# KiCad board reform2-keyboard.kicad_pcb
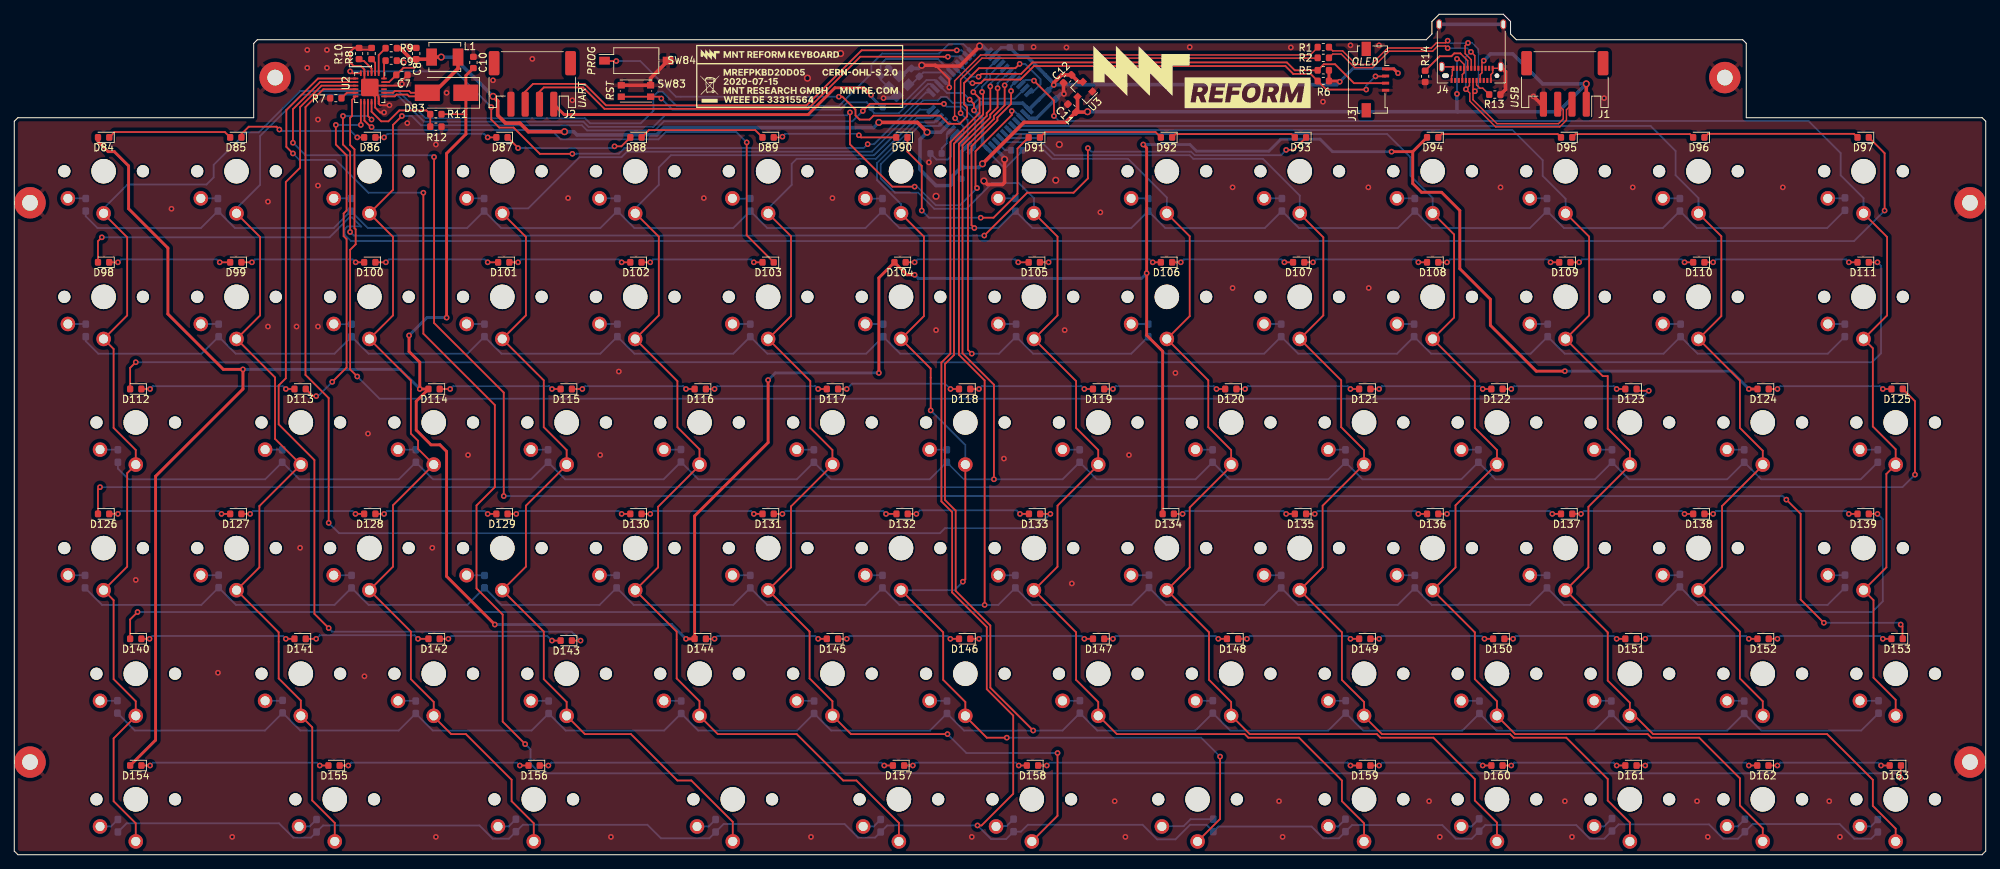
[diagram p0: board, top side]
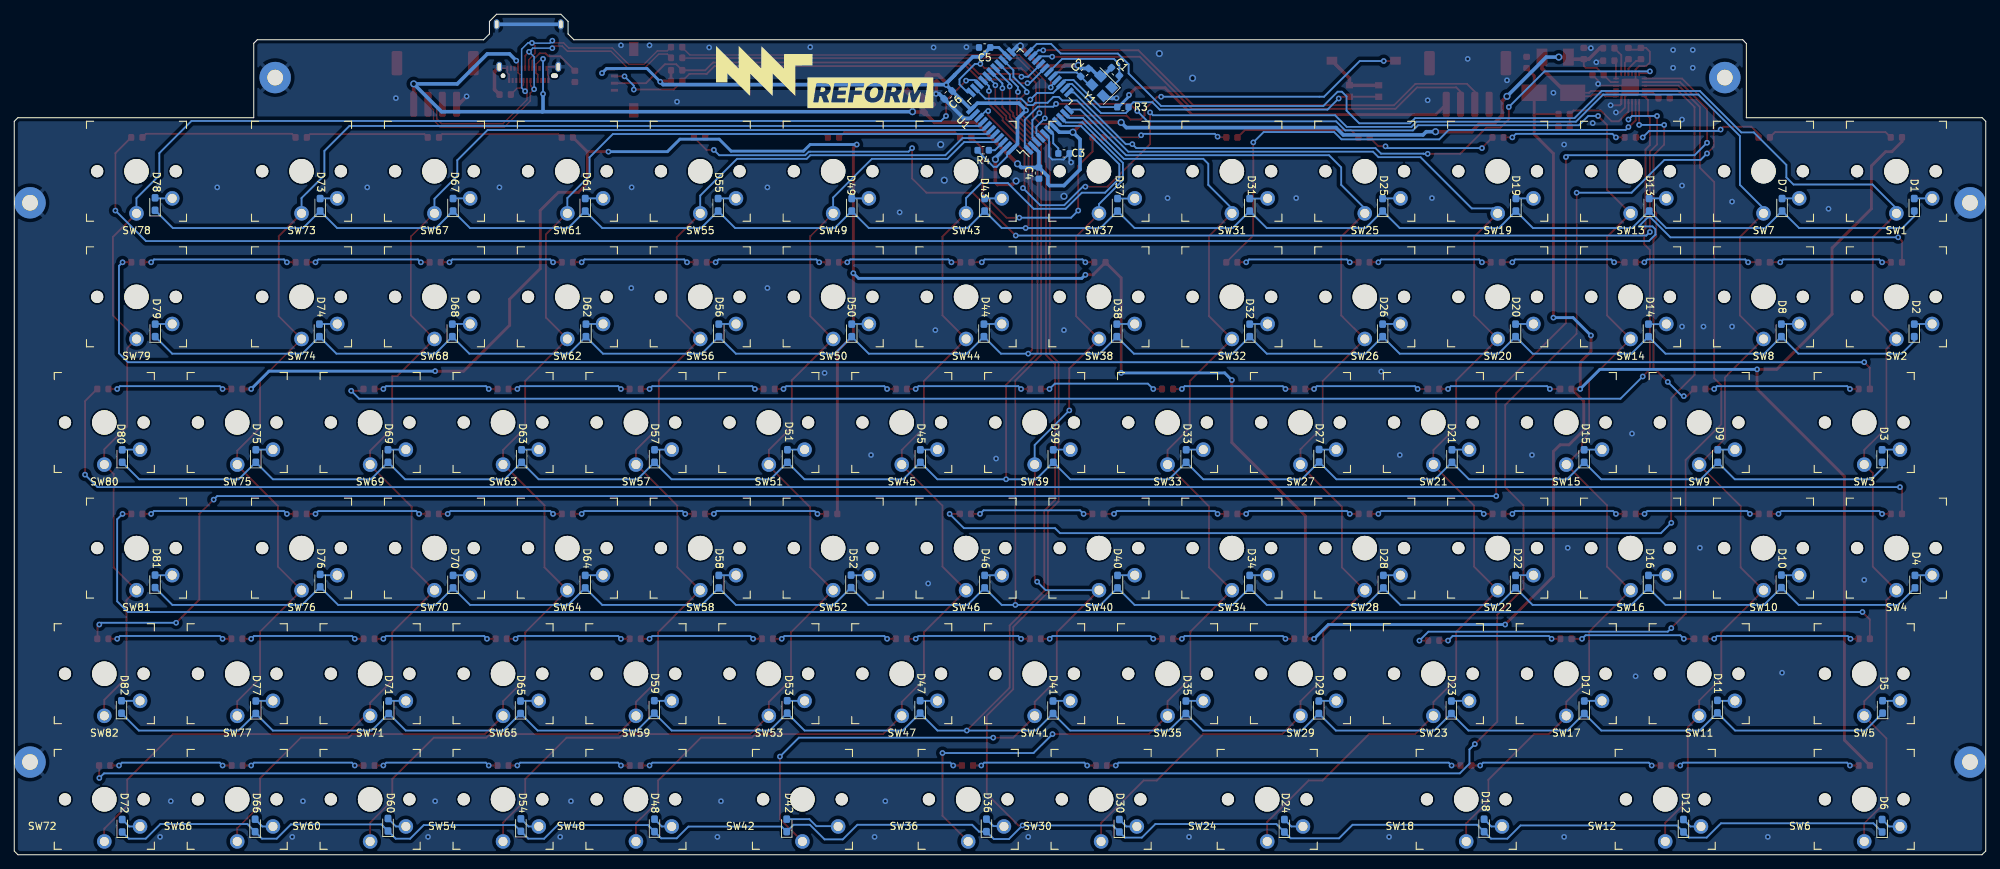
[diagram p1: board, bottom side, seen from below]

Outline 275.9 x 117.75 mm; copper layers: Top, Bottom. Coordinates in mm from the lower left corner of the outline.
Outline path: 0,102.76 0.5,103.26 33.5,103.26 33.5,113.66 34.01,114.18 197.58,114.18 198.4,115 198.4,116.75 199.4,117.75 208.4,117.75 209.4,116.75 209.4,115 210.22,114.18 241.89,114.18 242.39,113.68 242.39,103.26 275.4,103.26 275.9,102.76 275.9,0.52 275.39,0 0.52,0 0,0.51 0,102.76

## Placement (name value [footprint] x y rotation side)
C1  18pF  [C_0603_1608Metric]  121.8 109.7 45 bottom
C2  18pF  [C_0603_1608Metric]  126.1 109.6 135 bottom
C3  1uF  [C_0603_1608Metric]  129 98.25 180 bottom
C4  0.1uF  [C_0603_1608Metric]  132.5 95.5 270 bottom
C5  1uF  [C_0603_1608Metric]  140.1 113.1 0 bottom
C6  0.1uF  [C_0603_1608Metric]  145.2 106.45 315 bottom
C7  4.7uF  [C_0603_1608Metric]  54.25 109.25 0 top
C8  1uF  [C_0603_1608Metric]  56.25 112.25 90 top
C9  1uF  [C_0603_1608Metric]  52.75 111.25 0 top
C10  4.7uF  [C_0603_1608Metric]  64.25 111 90 top
C11  1uF  [C_0603_1608Metric]  148 104.6 135 top
C12  1uF  [C_0603_1608Metric]  147.4 108.7 225 top
D1  MMDL914T1G  [D_0603_1608Metric_Pad1.05x0.95mm_HandSolder]  10 91.06 90 bottom
D2  MMDL914T1G  [D_0603_1608Metric_Pad1.05x0.95mm_HandSolder]  10 73.46 90 bottom
D3  MMDL914T1G  [D_0603_1608Metric_Pad1.05x0.95mm_HandSolder]  14.5 55.86 90 bottom
D4  MMDL914T1G  [D_0603_1608Metric_Pad1.05x0.95mm_HandSolder]  9.9 38.26 90 bottom
D5  MMDL914T1G  [D_0603_1608Metric_Pad1.05x0.95mm_HandSolder]  14.43 20.71 90 bottom
D6  MMDL914T1G  [D_0603_1608Metric_Pad1.05x0.95mm_HandSolder]  14.5 4.06 90 bottom
D7  MMDL914T1G  [D_0603_1608Metric_Pad1.05x0.95mm_HandSolder]  28.5 91.06 90 bottom
D8  MMDL914T1G  [D_0603_1608Metric_Pad1.05x0.95mm_HandSolder]  28.6 73.46 90 bottom
D9  MMDL914T1G  [D_0603_1608Metric_Pad1.05x0.95mm_HandSolder]  37.5 55.86 90 bottom
D10  MMDL914T1G  [D_0603_1608Metric_Pad1.05x0.95mm_HandSolder]  28.6 38.3 90 bottom
D11  MMDL914T1G  [D_0603_1608Metric_Pad1.05x0.95mm_HandSolder]  37.55 20.75 90 bottom
D12  MMDL914T1G  [D_0603_1608Metric_Pad1.05x0.95mm_HandSolder]  42.3 4.06 90 bottom
D13  MMDL914T1G  [D_0603_1608Metric_Pad1.05x0.95mm_HandSolder]  47.1 91.06 90 bottom
D14  MMDL914T1G  [D_0603_1608Metric_Pad1.05x0.95mm_HandSolder]  47.2 73.46 90 bottom
D15  MMDL914T1G  [D_0603_1608Metric_Pad1.05x0.95mm_HandSolder]  56.2 55.86 90 bottom
D16  MMDL914T1G  [D_0603_1608Metric_Pad1.05x0.95mm_HandSolder]  47.2 38.26 90 bottom
D17  MMDL914T1G  [D_0603_1608Metric_Pad1.05x0.95mm_HandSolder]  56.18 20.66 90 bottom
D18  MMDL914T1G  [D_0603_1608Metric_Pad1.05x0.95mm_HandSolder]  70.2 4.1 90 bottom
D19  MMDL914T1G  [D_0603_1608Metric_Pad1.05x0.95mm_HandSolder]  65.75 91.06 90 bottom
D20  MMDL914T1G  [D_0603_1608Metric_Pad1.05x0.95mm_HandSolder]  65.8 73.46 90 bottom
D21  MMDL914T1G  [D_0603_1608Metric_Pad1.05x0.95mm_HandSolder]  74.7 55.86 90 bottom
D22  MMDL914T1G  [D_0603_1608Metric_Pad1.05x0.95mm_HandSolder]  65.8 38.26 90 bottom
D23  MMDL914T1G  [D_0603_1608Metric_Pad1.05x0.95mm_HandSolder]  74.78 20.66 90 bottom
D24  MMDL914T1G  [D_0603_1608Metric_Pad1.05x0.95mm_HandSolder]  98.15 4.06 90 bottom
D25  MMDL914T1G  [D_0603_1608Metric_Pad1.05x0.95mm_HandSolder]  84.4 91.06 90 bottom
D26  MMDL914T1G  [D_0603_1608Metric_Pad1.05x0.95mm_HandSolder]  84.4 73.46 90 bottom
D27  MMDL914T1G  [D_0603_1608Metric_Pad1.05x0.95mm_HandSolder]  93.3 55.9 90 bottom
D28  MMDL914T1G  [D_0603_1608Metric_Pad1.05x0.95mm_HandSolder]  84.3 38.26 90 bottom
D29  MMDL914T1G  [D_0603_1608Metric_Pad1.05x0.95mm_HandSolder]  93.33 20.66 90 bottom
D30  MMDL914T1G  [D_0603_1608Metric_Pad1.05x0.95mm_HandSolder]  121.25 4.06 90 bottom
D31  MMDL914T1G  [D_0603_1608Metric_Pad1.05x0.95mm_HandSolder]  103 91.06 90 bottom
D32  MMDL914T1G  [D_0603_1608Metric_Pad1.05x0.95mm_HandSolder]  103 73.46 90 bottom
D33  MMDL914T1G  [D_0603_1608Metric_Pad1.05x0.95mm_HandSolder]  111.9 55.86 90 bottom
D34  MMDL914T1G  [D_0603_1608Metric_Pad1.05x0.95mm_HandSolder]  103 38.26 90 bottom
D35  MMDL914T1G  [D_0603_1608Metric_Pad1.05x0.95mm_HandSolder]  111.93 20.66 90 bottom
D36  MMDL914T1G  [D_0603_1608Metric_Pad1.05x0.95mm_HandSolder]  139.85 4.11 90 bottom
D37  MMDL914T1G  [D_0603_1608Metric_Pad1.05x0.95mm_HandSolder]  121.5 91.06 90 bottom
D38  MMDL914T1G  [D_0603_1608Metric_Pad1.05x0.95mm_HandSolder]  121.6 73.46 90 bottom
D39  MMDL914T1G  [D_0603_1608Metric_Pad1.05x0.95mm_HandSolder]  130.5 55.86 90 bottom
D40  MMDL914T1G  [D_0603_1608Metric_Pad1.05x0.95mm_HandSolder]  121.5 38.26 90 bottom
D41  MMDL914T1G  [D_0603_1608Metric_Pad1.05x0.95mm_HandSolder]  130.53 20.66 90 bottom
D42  MMDL914T1G  [D_0603_1608Metric_Pad1.05x0.95mm_HandSolder]  167.8 4.11 90 bottom
D43  MMDL914T1G  [D_0603_1608Metric_Pad1.05x0.95mm_HandSolder]  140.1 91.06 90 bottom
D44  MMDL914T1G  [D_0603_1608Metric_Pad1.05x0.95mm_HandSolder]  140.2 73.46 90 bottom
D45  MMDL914T1G  [D_0603_1608Metric_Pad1.05x0.95mm_HandSolder]  149.1 55.86 90 bottom
D46  MMDL914T1G  [D_0603_1608Metric_Pad1.05x0.95mm_HandSolder]  140.1 38.26 90 bottom
D47  MMDL914T1G  [D_0603_1608Metric_Pad1.05x0.95mm_HandSolder]  149.13 20.71 90 bottom
D48  MMDL914T1G  [D_0603_1608Metric_Pad1.05x0.95mm_HandSolder]  186.3 4.11 90 bottom
D49  MMDL914T1G  [D_0603_1608Metric_Pad1.05x0.95mm_HandSolder]  158.7 91.06 90 bottom
D50  MMDL914T1G  [D_0603_1608Metric_Pad1.05x0.95mm_HandSolder]  158.7 73.46 90 bottom
D51  MMDL914T1G  [D_0603_1608Metric_Pad1.05x0.95mm_HandSolder]  167.7 55.86 90 bottom
D52  MMDL914T1G  [D_0603_1608Metric_Pad1.05x0.95mm_HandSolder]  158.8 38.3 90 bottom
D53  MMDL914T1G  [D_0603_1608Metric_Pad1.05x0.95mm_HandSolder]  167.73 20.71 90 bottom
D54  MMDL914T1G  [D_0603_1608Metric_Pad1.05x0.95mm_HandSolder]  205 4.16 90 bottom
D55  MMDL914T1G  [D_0603_1608Metric_Pad1.05x0.95mm_HandSolder]  177.4 91.06 90 bottom
D56  MMDL914T1G  [D_0603_1608Metric_Pad1.05x0.95mm_HandSolder]  177.3 73.46 90 bottom
D57  MMDL914T1G  [D_0603_1608Metric_Pad1.05x0.95mm_HandSolder]  186.3 55.86 90 bottom
D58  MMDL914T1G  [D_0603_1608Metric_Pad1.05x0.95mm_HandSolder]  177.3 38.26 90 bottom
D59  MMDL914T1G  [D_0603_1608Metric_Pad1.05x0.95mm_HandSolder]  186.33 20.71 90 bottom
D60  MMDL914T1G  [D_0603_1608Metric_Pad1.05x0.95mm_HandSolder]  223.6 4.2 90 bottom
D61  MMDL914T1G  [D_0603_1608Metric_Pad1.05x0.95mm_HandSolder]  196 91.06 90 bottom
D62  MMDL914T1G  [D_0603_1608Metric_Pad1.05x0.95mm_HandSolder]  195.9 73.46 90 bottom
D63  MMDL914T1G  [D_0603_1608Metric_Pad1.05x0.95mm_HandSolder]  204.9 55.86 90 bottom
D64  MMDL914T1G  [D_0603_1608Metric_Pad1.05x0.95mm_HandSolder]  196 38.26 90 bottom
D65  MMDL914T1G  [D_0603_1608Metric_Pad1.05x0.95mm_HandSolder]  205.05 20.66 90 bottom
D66  MMDL914T1G  [D_0603_1608Metric_Pad1.05x0.95mm_HandSolder]  242.2 4.1 90 bottom
D67  MMDL914T1G  [D_0603_1608Metric_Pad1.05x0.95mm_HandSolder]  214.5 91.06 90 bottom
D68  MMDL914T1G  [D_0603_1608Metric_Pad1.05x0.95mm_HandSolder]  214.6 73.46 90 bottom
D69  MMDL914T1G  [D_0603_1608Metric_Pad1.05x0.95mm_HandSolder]  223.6 55.86 90 bottom
D70  MMDL914T1G  [D_0603_1608Metric_Pad1.05x0.95mm_HandSolder]  214.5 38.26 90 bottom
D71  MMDL914T1G  [D_0603_1608Metric_Pad1.05x0.95mm_HandSolder]  223.5 20.66 90 bottom
D72  MMDL914T1G  [D_0603_1608Metric_Pad1.05x0.95mm_HandSolder]  260.8 4.06 90 bottom
D73  MMDL914T1G  [D_0603_1608Metric_Pad1.05x0.95mm_HandSolder]  233.1 91.06 90 bottom
D74  MMDL914T1G  [D_0603_1608Metric_Pad1.05x0.95mm_HandSolder]  233.2 73.46 90 bottom
D75  MMDL914T1G  [D_0603_1608Metric_Pad1.05x0.95mm_HandSolder]  242.1 55.86 90 bottom
D76  MMDL914T1G  [D_0603_1608Metric_Pad1.05x0.95mm_HandSolder]  233.1 38.4 90 bottom
D77  MMDL914T1G  [D_0603_1608Metric_Pad1.05x0.95mm_HandSolder]  242.1 20.66 90 bottom
D78  MMDL914T1G  [D_0603_1608Metric_Pad1.05x0.95mm_HandSolder]  256.2 91.16 90 bottom
D79  MMDL914T1G  [D_0603_1608Metric_Pad1.05x0.95mm_HandSolder]  256.18 73.46 90 bottom
D80  MMDL914T1G  [D_0603_1608Metric_Pad1.05x0.95mm_HandSolder]  260.8 55.86 90 bottom
D81  MMDL914T1G  [D_0603_1608Metric_Pad1.05x0.95mm_HandSolder]  256.2 38.3 90 bottom
D82  MMDL914T1G  [D_0603_1608Metric_Pad1.05x0.95mm_HandSolder]  260.9 20.7 90 bottom
D83  B250-13-F  [D_SMB_Handsoldering]  60.5 106.75 180 top
D84  WLED  [LED_0603_1608Metric]  12.5 100.5 180 top
D85  WLED  [LED_0603_1608Metric]  31 100.5 180 top
D86  WLED  [LED_0603_1608Metric]  49.75 100.5 180 top
D87  WLED  [LED_0603_1608Metric]  68.25 100.5 180 top
D88  WLED  [LED_0603_1608Metric]  87 100.5 180 top
D89  WLED  [LED_0603_1608Metric]  105.5 100.5 180 top
D90  WLED  [LED_0603_1608Metric]  124.21 100.5 180 top
D91  WLED  [LED_0603_1608Metric]  142.75 100.5 180 top
D92  WLED  [LED_0603_1608Metric]  161.25 100.5 180 top
D93  WLED  [LED_0603_1608Metric]  180 100.5 180 top
D94  WLED  [LED_0603_1608Metric]  198.5 100.5 180 top
D95  WLED  [LED_0603_1608Metric]  217.25 100.5 180 top
D96  WLED  [LED_0603_1608Metric]  235.75 100.5 180 top
D97  WLED  [LED_0603_1608Metric]  258.75 100.5 180 top
D98  WLED  [LED_0603_1608Metric]  12.5 83 180 top
D99  WLED  [LED_0603_1608Metric]  31 83 180 top
D100  WLED  [LED_0603_1608Metric]  49.75 83 180 top
D101  WLED  [LED_0603_1608Metric]  68.5 83 180 top
D102  WLED  [LED_0603_1608Metric]  87 83 180 top
D103  WLED  [LED_0603_1608Metric]  105.5 83 180 top
D104  WLED  [LED_0603_1608Metric]  123.96 83 180 top
D105  WLED  [LED_0603_1608Metric]  142.75 83 180 top
D106  WLED  [LED_0603_1608Metric]  161.25 83 180 top
D107  WLED  [LED_0603_1608Metric]  179.75 83 180 top
D108  WLED  [LED_0603_1608Metric]  198.5 83 180 top
D109  WLED  [LED_0603_1608Metric]  217 83 180 top
D110  WLED  [LED_0603_1608Metric]  235.75 83 180 top
D111  WLED  [LED_0603_1608Metric]  258.75 83 180 top
D112  WLED  [LED_0603_1608Metric]  17 65.25 180 top
D113  WLED  [LED_0603_1608Metric]  40 65.25 180 top
D114  WLED  [LED_0603_1608Metric]  58.75 65.25 180 top
D115  WLED  [LED_0603_1608Metric]  77.25 65.25 180 top
D116  WLED  [LED_0603_1608Metric]  96 65.25 180 top
D117  WLED  [LED_0603_1608Metric]  114.5 65.25 180 top
D118  WLED  [LED_0603_1608Metric]  133 65.25 180 top
D119  WLED  [LED_0603_1608Metric]  151.75 65.25 180 top
D120  WLED  [LED_0603_1608Metric]  170.25 65.25 180 top
D121  WLED  [LED_0603_1608Metric]  189 65.25 180 top
D122  WLED  [LED_0603_1608Metric]  207.5 65.25 180 top
D123  WLED  [LED_0603_1608Metric]  226.25 65.25 180 top
D124  WLED  [LED_0603_1608Metric]  244.75 65.25 180 top
D125  WLED  [LED_0603_1608Metric]  263.5 65.25 180 top
D126  WLED  [LED_0603_1608Metric]  12.5 47.75 180 top
D127  WLED  [LED_0603_1608Metric]  31 47.75 180 top
D128  WLED  [LED_0603_1608Metric]  49.75 47.75 180 top
D129  WLED  [LED_0603_1608Metric]  68.25 47.75 180 top
D130  WLED  [LED_0603_1608Metric]  87 47.75 180 top
D131  WLED  [LED_0603_1608Metric]  105.5 47.75 180 top
D132  WLED  [LED_0603_1608Metric]  124.25 47.75 180 top
D133  WLED  [LED_0603_1608Metric]  142.79 47.75 180 top
D134  WLED  [LED_0603_1608Metric]  161.5 47.75 180 top
D135  WLED  [LED_0603_1608Metric]  180 47.75 180 top
D136  WLED  [LED_0603_1608Metric]  198.5 47.75 180 top
D137  WLED  [LED_0603_1608Metric]  217.25 47.75 180 top
D138  WLED  [LED_0603_1608Metric]  235.75 47.75 180 top
D139  WLED  [LED_0603_1608Metric]  258.75 47.75 180 top
D140  WLED  [LED_0603_1608Metric]  17 30.25 180 top
D141  WLED  [LED_0603_1608Metric]  40 30.25 180 top
D142  WLED  [LED_0603_1608Metric]  58.75 30.25 180 top
D143  WLED  [LED_0603_1608Metric]  77.25 30 180 top
D144  WLED  [LED_0603_1608Metric]  96 30.25 180 top
D145  WLED  [LED_0603_1608Metric]  114.5 30.25 180 top
D146  WLED  [LED_0603_1608Metric]  133 30.25 180 top
D147  WLED  [LED_0603_1608Metric]  151.75 30.25 180 top
D148  WLED  [LED_0603_1608Metric]  170.5 30.25 180 top
D149  WLED  [LED_0603_1608Metric]  189 30.25 180 top
D150  WLED  [LED_0603_1608Metric]  207.75 30.25 180 top
D151  WLED  [LED_0603_1608Metric]  226.25 30.25 180 top
D152  WLED  [LED_0603_1608Metric]  244.75 30.25 180 top
D153  WLED  [LED_0603_1608Metric]  263.5 30.25 180 top
D154  WLED  [LED_0603_1608Metric]  17 12.5 180 top
D155  WLED  [LED_0603_1608Metric]  44.75 12.5 180 top
D156  WLED  [LED_0603_1608Metric]  72.75 12.5 180 top
D157  WLED  [LED_0603_1608Metric]  123.75 12.5 180 top
D158  WLED  [LED_0603_1608Metric]  142.5 12.5 180 top
D159  WLED  [LED_0603_1608Metric]  189 12.5 180 top
D160  WLED  [LED_0603_1608Metric]  207.5 12.5 180 top
D161  WLED  [LED_0603_1608Metric]  226.25 12.5 180 top
D162  WLED  [LED_0603_1608Metric]  244.71 12.5 180 top
D163  WLED  [LED_0603_1608Metric]  263.25 12.5 180 top
G***  LOGO  [mntreform-keyboard-badge]  109.9 109.05 0 top
GFX1  MNT  [mntreform]  166.2 108.95 0 top
GFX2  MNT  [mntreform]  162.5 108.95 180 bottom
H1  MH1  [MountingHole_2.2mm_M2_Pad]  2.2 91.34 0 top
H2  MH2  [MountingHole_2.2mm_M2_Pad]  273.7 91.34 0 top
H3  MH3  [MountingHole_2.2mm_M2_Pad]  2.2 12.98 0 top
H4  MH4  [MountingHole_2.2mm_M2_Pad]  273.7 12.98 0 top
H5  MH5  [MountingHole_2.2mm_M2_Pad]  36.51 108.88 0 top
H6  MH6  [MountingHole_2.2mm_M2_Pad]  239.39 108.88 0 top
J1  USB  [JST_PH_S4B-PH-SM4-TB_1x04-1MP_P2.00mm_Horizontal]  217 108 180 top
J2  UART  [JST_PH_S4B-PH-SM4-TB_1x04-1MP_P2.00mm_Horizontal]  72.5 108 180 top
J3  AUX  [Molex_200528-0040_1x04-1MP_P1.00mm_Horizontal]  191 108.6 270 top
J4  USB_C_Receptacle_USB2.0  [USB_C_Receptacle_Amphenol_12401610E4-2A]  203.9 113.5 180 top
L1  10uH  [IND_SRP4020TA-150M]  60.25 111.75 0 top
R1  22  [R_0603_1608Metric]  183.2 113.15 0 top
R2  22  [R_0603_1608Metric]  183.2 111.65 0 top
R3  10k  [R_0603_1608Metric]  120.75 104.75 180 bottom
R4  0  [R_0603_1608Metric]  140.3 98.7 0 bottom
R5  4.7k  [R_0603_1608Metric]  183.2 109.9 180 top
R6  4.7k  [R_0603_1608Metric]  183.2 108.4 180 top
R7  62K  [R_0603_1608Metric]  45 106 180 top
R8  604K  [R_0603_1608Metric]  50 112.25 90 top
R9  0  [R_0603_1608Metric]  52.75 113 180 top
R10  715K  [R_0603_1608Metric]  48.25 112.25 90 top
R11  1M  [R_0603_1608Metric]  59 103.75 180 top
R12  54.9K  [R_0603_1608Metric]  59 102 0 top
R13  5.1k  [R_0603_1608Metric]  207.2 106.5 180 top
R14  5.1k  [R_0603_1608Metric]  197.45 109.05 270 top
SW1  Choc  [PG1350]  12.5 95.76 0 top
SW2  Choc  [PG1350]  12.5 78.16 0 top
SW3  Choc  [PG1350]  17 60.56 0 top
SW4  Choc  [PG1350]  12.5 42.96 0 top
SW5  Choc  [PG1350]  17 25.36 0 top
SW6  Choc  [PG1350]  17 7.76 0 top
SW7  Choc  [PG1350]  31.1 95.76 0 top
SW8  Choc  [PG1350]  31.1 78.16 0 top
SW9  Choc  [PG1350]  40.1 60.56 0 top
SW10  Choc  [PG1350]  31.1 42.96 0 top
SW11  Choc  [PG1350]  40.1 25.36 0 top
SW12  Choc  [PG1350]  44.85 7.76 0 top
SW13  Choc  [PG1350]  49.7 95.76 0 top
SW14  Choc  [PG1350]  49.7 78.16 0 top
SW15  Choc  [PG1350]  58.7 60.56 0 top
SW16  Choc  [PG1350]  49.7 42.96 0 top
SW17  Choc  [PG1350]  58.7 25.36 0 top
SW18  Choc  [PG1350]  72.7 7.76 0 top
SW19  Choc  [PG1350]  68.3 95.76 0 top
SW20  Choc  [PG1350]  68.3 78.16 0 top
SW21  Choc  [PG1350]  77.3 60.56 0 top
SW22  Choc  [PG1350]  68.3 42.96 0 top
SW23  Choc  [PG1350]  77.3 25.36 0 top
SW24  Choc  [PG1350]  100.55 7.76 0 top
SW25  Choc  [PG1350]  86.9 95.76 0 top
SW26  Choc  [PG1350]  86.9 78.16 0 top
SW27  Choc  [PG1350]  95.9 60.56 0 top
SW28  Choc  [PG1350]  86.9 42.96 0 top
SW29  Choc  [PG1350]  95.9 25.36 0 top
SW30  Choc  [PG1350]  123.8 7.76 0 top
SW31  Choc  [PG1350]  105.5 95.76 0 top
SW32  Choc  [PG1350]  105.5 78.16 0 top
SW33  Choc  [PG1350]  114.5 60.56 0 top
SW34  Choc  [PG1350]  105.5 42.96 0 top
SW35  Choc  [PG1350]  114.5 25.36 0 top
SW36  Choc  [PG1350]  142.4 7.76 0 top
SW37  Choc  [PG1350]  124.1 95.76 0 top
SW38  Choc  [PG1350]  124.1 78.16 0 top
SW39  Choc  [PG1350]  133.1 60.56 0 top
SW40  Choc  [PG1350]  124.1 42.96 0 top
SW41  Choc  [PG1350]  133.1 25.36 0 top
SW42  Choc  [PG1350]  165.6 7.76 0 top
SW43  Choc  [PG1350]  142.7 95.76 0 top
SW44  Choc  [PG1350]  142.7 78.16 0 top
SW45  Choc  [PG1350]  151.7 60.56 0 top
SW46  Choc  [PG1350]  142.7 42.96 0 top
SW47  Choc  [PG1350]  151.7 25.36 0 top
SW48  Choc  [PG1350]  188.9 7.76 0 top
SW49  Choc  [PG1350]  161.3 95.76 0 top
SW50  Choc  [PG1350]  161.3 78.16 0 top
SW51  Choc  [PG1350]  170.3 60.56 0 top
SW52  Choc  [PG1350]  161.3 42.96 0 top
SW53  Choc  [PG1350]  170.3 25.36 0 top
SW54  Choc  [PG1350]  207.5 7.76 0 top
SW55  Choc  [PG1350]  179.9 95.76 0 top
SW56  Choc  [PG1350]  179.9 78.16 0 top
SW57  Choc  [PG1350]  188.9 60.56 0 top
SW58  Choc  [PG1350]  179.9 42.96 0 top
SW59  Choc  [PG1350]  188.9 25.36 0 top
SW60  Choc  [PG1350]  226.1 7.76 0 top
SW61  Choc  [PG1350]  198.5 95.76 0 top
SW62  Choc  [PG1350]  198.5 78.16 0 top
SW63  Choc  [PG1350]  207.5 60.56 0 top
SW64  Choc  [PG1350]  198.5 42.96 0 top
SW65  Choc  [PG1350]  207.5 25.36 0 top
SW66  Choc  [PG1350]  244.7 7.76 0 top
SW67  Choc  [PG1350]  217.1 95.76 0 top
SW68  Choc  [PG1350]  217.1 78.16 0 top
SW69  Choc  [PG1350]  226.1 60.56 0 top
SW70  Choc  [PG1350]  217.1 42.96 0 top
SW71  Choc  [PG1350]  226.1 25.36 0 top
SW72  Choc  [PG1350]  263.3 7.76 0 top
SW73  Choc  [PG1350]  235.7 95.76 0 top
SW74  Choc  [PG1350]  235.7 78.16 0 top
SW75  Choc  [PG1350]  244.7 60.56 0 top
SW76  Choc  [PG1350]  235.7 42.96 0 top
SW77  Choc  [PG1350]  244.7 25.36 0 top
SW78  Choc  [PG1350]  258.8 95.76 0 top
SW79  Choc  [PG1350]  258.8 78.16 0 top
SW80  Choc  [PG1350]  263.3 60.56 0 top
SW81  Choc  [PG1350]  258.8 42.96 0 top
SW82  Choc  [PG1350]  263.3 25.36 0 top
SW83  RESET  [SW_Push_1P1T_NO_CK_KMR2]  87 107 180 top
SW84  SW_DIP_x01  [SW_DIP_SPSTx01_Slide_Omron_A6S-110x_W8.9mm_P2.54mm]  87.05 111.25 0 top
U1  ATMEGA32U4-AU  [TQFP-44_10x10mm_Pitch0.8mm]  135.15 105.6 45 bottom
U2  TPS61185  [VQFN-24-1EP_4x4mm_P0.5mm_EP2.45x2.45mm]  49.75 107.5 270 top
U3  MCP1700-3302E_SOT23  [SOT-23]  149.5 106.9 225 top
Y1  16MHz  [Crystal_SMD_3225-4Pin_3.2x2.5mm]  123.7 107.7 45 bottom

## Footprints (pads in the part's own frame, mm; a bottom-side part is the same pattern mirrored in y, then rotated)
C_0603_1608Metric
  rrect 0.875x0.95 smd: 1(-0.787,0) 2(0.787,0)
Crystal_SMD_3225-4Pin_3.2x2.5mm
  rect 1.4x1.2 smd: 1(-1.1,-0.85) 2(1.1,-0.85) 3(1.1,0.85) 4(-1.1,0.85)
D_0603_1608Metric_Pad1.05x0.95mm_HandSolder
  rrect 1.05x0.95 smd: 1(-0.875,0) 2(0.875,0)
D_SMB_Handsoldering
  rect 3.5x2.3 smd: 1(-2.7,0) 2(2.7,0)
IND_SRP4020TA-150M
  rect 1.5x2.4 smd: 1(-1.85,0) 2(1.85,0)
JST_PH_S4B-PH-SM4-TB_1x04-1MP_P2.00mm_Horizontal
  rrect 1x3.5 smd: 1(-3,2.85) 2(-1,2.85) 3(1,2.85) 4(3,2.85)
  rrect 1.5x3.4 smd: MP(-5.35,-2.9) MP(5.35,-2.9)
LED_0603_1608Metric
  rrect 0.875x0.95 smd: 1(-0.787,0) 2(0.787,0)
Molex_200528-0040_1x04-1MP_P1.00mm_Horizontal
  rect 0.4x1 smd: 1(-1.5,0.91) 2(-0.5,0.91) 3(0.5,0.91) 4(1.5,0.91)
  rect 2x1.3 smd: MP(-4.3,-1.79) MP(4.3,-1.79)
MountingHole_2.2mm_M2_Pad
  round 4.4 hole 2.2: 1(0,0)
PG1350
  round 1.702 hole 1.702 unplated: (-5.5,0) (5.5,0)
  round 3.429 hole 3.429 unplated: (0,0)
  round 2.032 hole 1.27: 1(0,-5.9) 2(-5,-3.8)
R_0603_1608Metric
  rrect 0.875x0.95 smd: 1(-0.787,0) 2(0.787,0)
SOT-23
  rect 0.9x0.8 smd: 1(-1,0.95) 2(-1,-0.95) 3(1,0)
SW_DIP_SPSTx01_Slide_Omron_A6S-110x_W8.9mm_P2.54mm
  rect 1.5x1.1 smd: 1(-4.45,0) 2(4.45,0)
SW_Push_1P1T_NO_CK_KMR2
  rect 1x0.9 smd: 1(-2.05,0.8) 1(2.05,0.8) 2(-2.05,-0.8) 2(2.05,-0.8)
TQFP-44_10x10mm_Pitch0.8mm
  rect 1.5x0.55 smd: 1(-5.7,4) 2(-5.7,3.2) 3(-5.7,2.4) 4(-5.7,1.6) 5(-5.7,0.8) 6(-5.7,0) 7(-5.7,-0.8) 8(-5.7,-1.6) 9(-5.7,-2.4) 10(-5.7,-3.2) 11(-5.7,-4) 23(5.7,-4) 24(5.7,-3.2) 25(5.7,-2.4) 26(5.7,-1.6) 27(5.7,-0.8) 28(5.7,0) 29(5.7,0.8) 30(5.7,1.6) 31(5.7,2.4) 32(5.7,3.2) 33(5.7,4)
  rect 0.55x1.5 smd: 12(-4,-5.7) 13(-3.2,-5.7) 14(-2.4,-5.7) 15(-1.6,-5.7) 16(-0.8,-5.7) 17(0,-5.7) 18(0.8,-5.7) 19(1.6,-5.7) 20(2.4,-5.7) 21(3.2,-5.7) 22(4,-5.7) 34(4,5.7) 35(3.2,5.7) 36(2.4,5.7) 37(1.6,5.7) 38(0.8,5.7) 39(0,5.7) 40(-0.8,5.7) 41(-1.6,5.7) 42(-2.4,5.7) 43(-3.2,5.7) 44(-4,5.7)
USB_C_Receptacle_Amphenol_12401610E4-2A
  round 0.65 hole 0.65 unplated: (-3.6,4.36)
  oval 0.95x0.65 hole 0.95x0.65 unplated: (3.6,4.36)
  rect 0.3x0.7 smd: A1(-2.75,5.02) A2(-2.25,5.02) A3(-1.75,5.02) A4(-1.25,5.02) A5(-0.75,5.02) A6(-0.25,5.02) A7(0.25,5.02) A8(0.75,5.02) A9(1.25,5.02) A10(1.75,5.02) A11(2.25,5.02) A12(2.75,5.02) B1(2.5,3.32) B2(2,3.32) B3(1.5,3.32) B4(1,3.32) B5(0.5,3.32) B6(0,3.32) B7(-0.5,3.32) B8(-1,3.32) B9(-1.5,3.32) B10(-2,3.32) B11(-2.5,3.32) B12(-3,3.32)
  oval 0.8x1.4 hole 0.5x1.1: S1(-4.49,-2.84) S1(-4.13,3.11) S1(4.13,3.11) S1(4.49,-2.84)
VQFN-24-1EP_4x4mm_P0.5mm_EP2.45x2.45mm
  rrect 0.66x0.66 smd: (-0.82,0.82) (-0.82,0) (-0.82,-0.82) (0,0.82) (0,0) (0,-0.82) (0.82,0.82) (0.82,0) (0.82,-0.82)
  rrect 0.775x0.25 smd: 1(-1.988,1.25) 2(-1.988,0.75) 3(-1.988,0.25) 4(-1.988,-0.25) 5(-1.988,-0.75) 6(-1.988,-1.25) 13(1.988,-1.25) 14(1.988,-0.75) 15(1.988,-0.25) 16(1.988,0.25) 17(1.988,0.75) 18(1.988,1.25)
  rrect 0.25x0.775 smd: 7(-1.25,-1.988) 8(-0.75,-1.988) 9(-0.25,-1.988) 10(0.25,-1.988) 11(0.75,-1.988) 12(1.25,-1.988) 19(1.25,1.988) 20(0.75,1.988) 21(0.25,1.988) 22(-0.25,1.988) 23(-0.75,1.988) 24(-1.25,1.988)
  rrect 2.45x2.45 smd: 25(0,0)
